# Altium PCB DK2.PcbDoc (part 1 of 5) (continued)
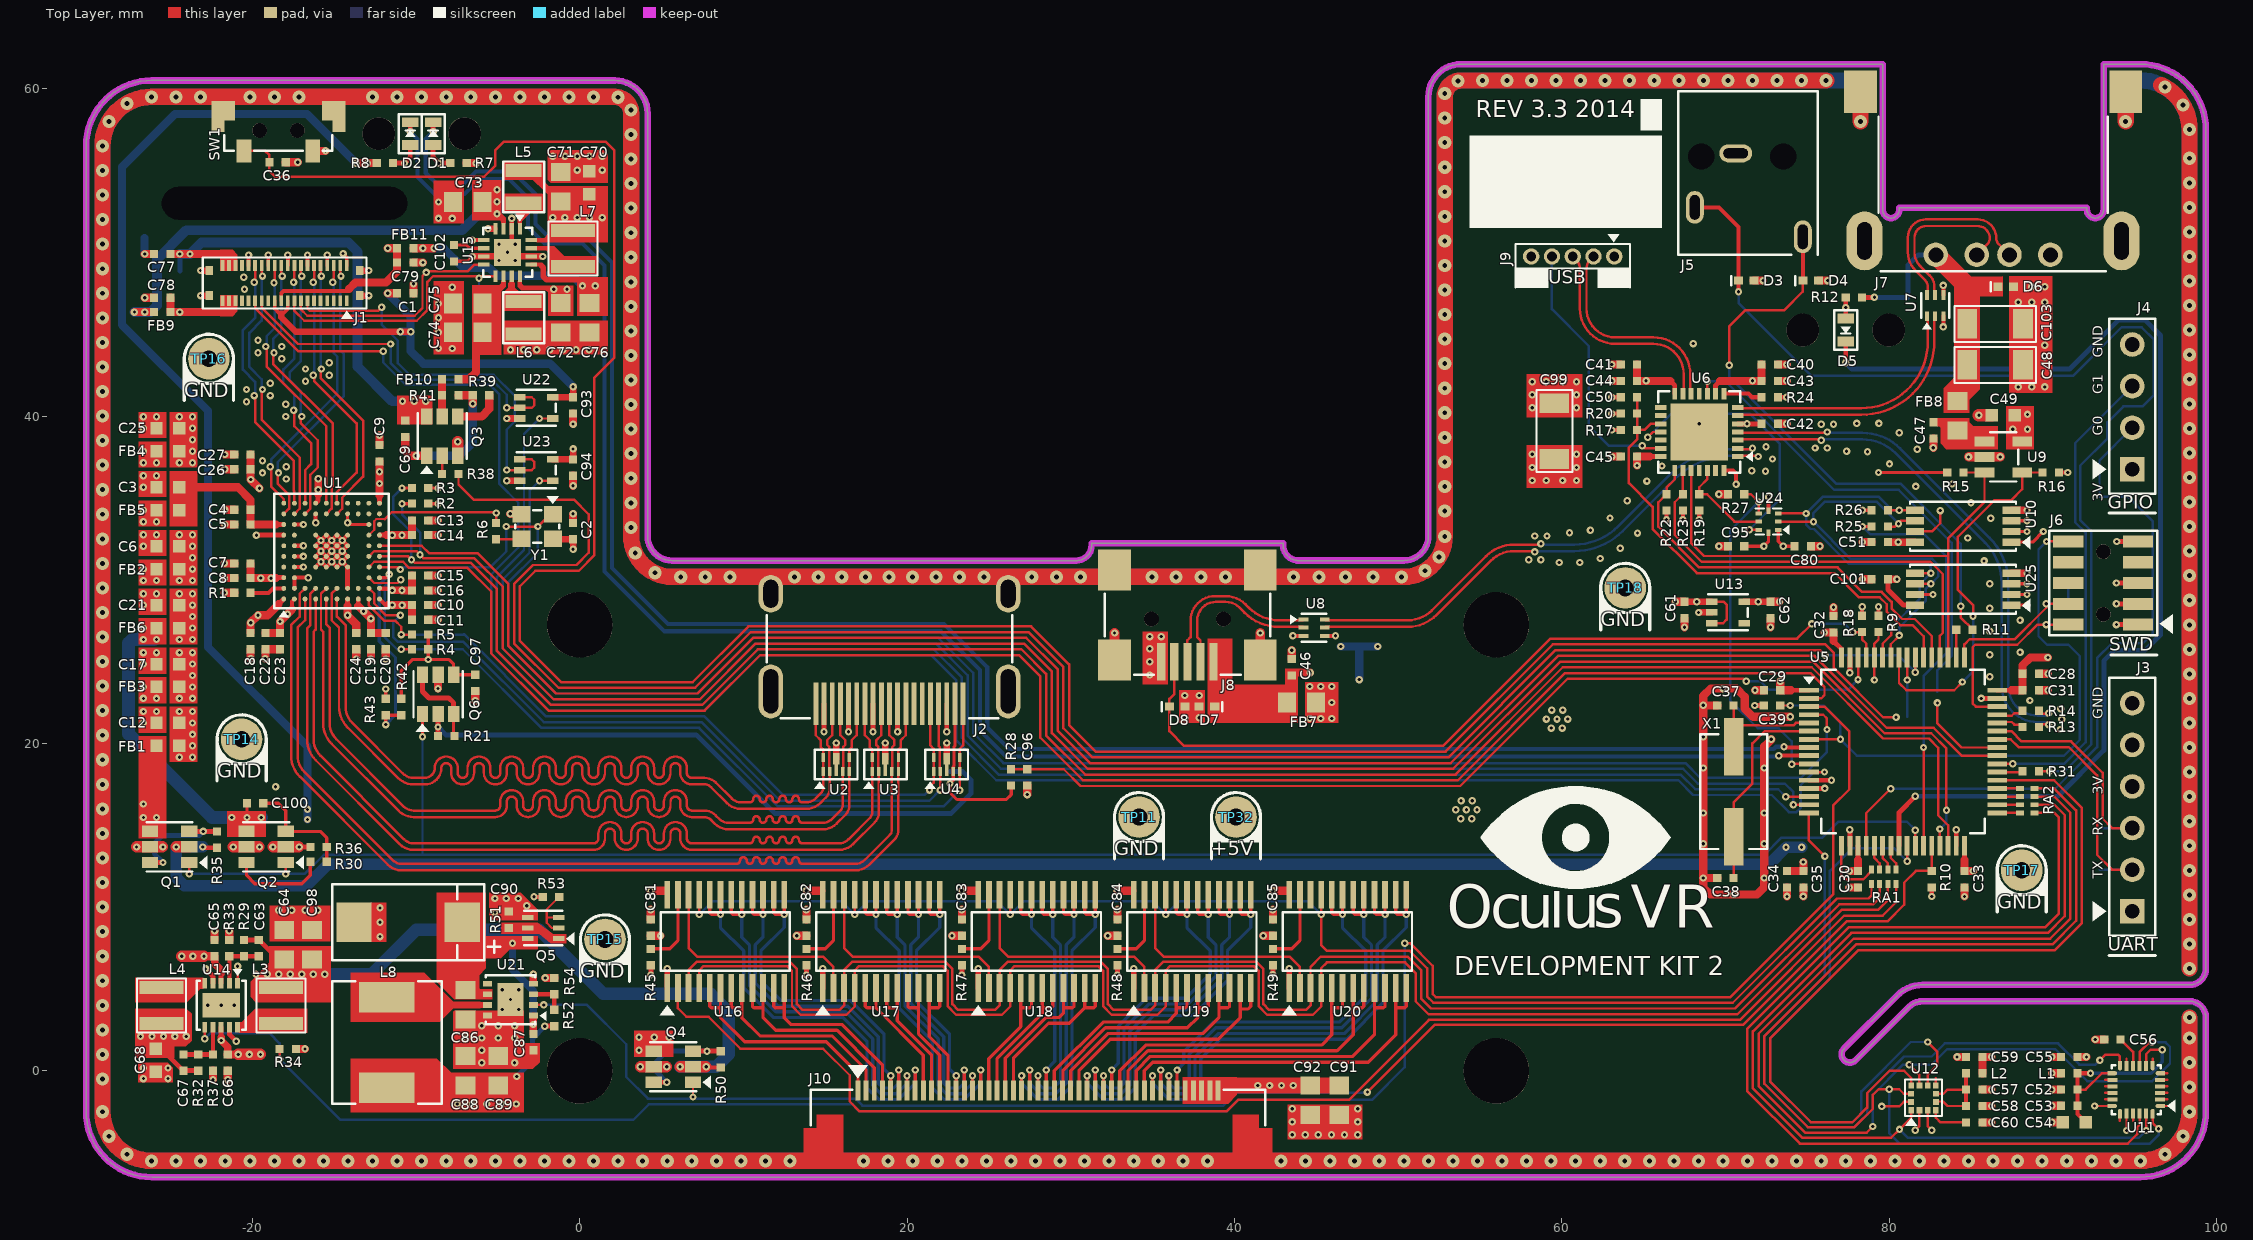
[diagram p0: Top Layer view]
## Components (designator, comment, footprint, x,y, rotation, side; value= is the part's Value field where it differs from the comment)
C1 "1uF" CAP_CERAMIC_0402 -10.65,47.5 r0 top
C2 "0.01uF" CAP_CERAMIC_0402 -0.4,32.975 r90 top
C3 "10uF" CAP_CERAMIC_0603 -25.15,35.65 r180 top
C4 "0.1uF" CAP_CERAMIC_0402 -20.599,34.275 r180 top
C5 "0.01uF" CAP_CERAMIC_0402 -20.599,33.375 r180 top
C6 "10uF" CAP_CERAMIC_0603 -25.15,32.05 r180 top
C7 "0.1uF" CAP_CERAMIC_0402 -20.599,31 r180 top
C8 "0.01uF" CAP_CERAMIC_0402 -20.599,30.1 r180 top
C9 "0.1uF" CAP_CERAMIC_0402 -12.225,37.725 r90 top
C10 "0.01uF" CAP_CERAMIC_0402 -9.749,28.45 r0 top
C11 "0.01uF" CAP_CERAMIC_0402 -9.75,27.55 r0 top
C12 "10uF" CAP_CERAMIC_0603 -25.15,21.25 r180 top
C13 "0.1uF" CAP_CERAMIC_0402 -9.75,33.625 r0 top
C14 "0.01uF" CAP_CERAMIC_0402 -9.75,32.725 r0 top
C15 "0.1uF" CAP_CERAMIC_0402 -9.75,30.25 r0 top
C16 "0.01uF" CAP_CERAMIC_0402 -9.75,29.35 r0 top
C17 "10uF" CAP_CERAMIC_0603 -25.15,24.85 r180 top
C18 "0.1uF" CAP_CERAMIC_0402 -20.1,26.25 r270 top
C19 "0.01uF" CAP_CERAMIC_0402 -12.75,26.25 r270 top
C20 "0.01uF" CAP_CERAMIC_0402 -11.85,26.25 r270 top
C21 "10uF" CAP_CERAMIC_0603 -25.15,28.45 r180 top
C22 "0.1uF" CAP_CERAMIC_0402 -19.2,26.25 r270 top
C23 "0.01uF" CAP_CERAMIC_0402 -18.3,26.25 r270 top
C24 "0.01uF" CAP_CERAMIC_0402 -13.65,26.25 r270 top
C25 "10uF" CAP_CERAMIC_0603 -25.15,39.25 r180 top
C26 "0.1uF" CAP_CERAMIC_0402 -20.6,36.75 r180 top
C27 "0.01uF" CAP_CERAMIC_0402 -20.6,37.65 r180 top
C28 "4.7uF" CAP_CERAMIC_0402 88.651,24.251 r0 top
C29 "0.1uF" CAP_CERAMIC_0402 72.851,23.251 r180 top
C30 "0.1uF" CAP_CERAMIC_0402 78.101,11.701 r270 top
C31 "0.1uF" CAP_CERAMIC_0402 88.651,23.251 r0 top
C32 "0.1uF" CAP_CERAMIC_0402 76.601,27.276 r90 top
C33 "0.1uF" CAP_CERAMIC_0402 84.601,11.701 r270 top
C34 "1uF" CAP_CERAMIC_0402 73.76,11.705 r270 top
C35 "0.01uF" CAP_CERAMIC_0402 74.76,11.705 r270 top
C36 "0.1uF" CAP_CERAMIC_0402 -18.452,55.503 r0 top
C37 "20pF" CAP_CERAMIC_0402 70,22.325 r180 top
C38 "20pF" CAP_CERAMIC_0402 70,11.775 r180 top
C39 "0.1uF" CAP_CERAMIC_0402 72.842,22.318 r180 top
C40 "1uF" CAP_CERAMIC_0402 72.701,43.149 r0 top
C41 "1uF" CAP_CERAMIC_0402 64.101,43.149 r180 top
C42 "0.1uF" CAP_CERAMIC_0402 72.701,39.524 r0 top
C43 "0.1uF" CAP_CERAMIC_0402 72.701,42.149 r0 top
C44 "0.1uF" CAP_CERAMIC_0402 64.101,42.149 r180 top
C45 "0.1uF" CAP_CERAMIC_0402 64.101,37.524 r180 top
C46 "0.1uF" CAP_CERAMIC_0402 43.5,24.65 r90 top
C47 "0.1uF" CAP_CERAMIC_0402 82.7,39.125 r270 top
C48 "100uF" CAP_CERAMIC_1206 86.48,43.13 r0 top
C49 "10uF" CAP_CERAMIC_0603 86.975,40.05 r180 top
C50 "1uF" CAP_CERAMIC_0402 64.101,41.149 r180 top
C51 "0.1uF" CAP_CERAMIC_0402 79.425,32.3 r180 top
C52 "0.01uF" CAP_CERAMIC_0402 91,-1.15 r180 top
C53 "0.1uF" CAP_CERAMIC_0402 91,-2.14 r180 top
C54 "10uF" CAP_CERAMIC_0603 91.31,-3.15 r180 top
C55 "0.1uF" CAP_CERAMIC_0402 91,0.85 r0 top
C56 "0.1uF" CAP_CERAMIC_0402 93.64,1.915 r180 top
C57 "0.1uF" CAP_CERAMIC_0402 85.2,-1.15 r0 top
C58 "1uF" CAP_CERAMIC_0402 85.2,-2.15 r0 top
C59 "0.1uF" CAP_CERAMIC_0402 85.2,0.85 r180 top
C60 "0.1uF" CAP_CERAMIC_0402 85.2,-3.15 r0 top
C61 "1uF" CAP_CERAMIC_0402 67.5,28.15 r270 top
C62 "1uF" CAP_CERAMIC_0402 72.75,28.15 r270 top
C63 "22pF" CAP_CERAMIC_0402 -19.6,7.5 r270 top
C64 "22uF" CAP_CERAMIC_0805 -18.05,7.7 r90 top
C65 "4.7uF" CAP_CERAMIC_0402 -22.3,7.5 r90 top
C66 "4.7uF" CAP_CERAMIC_0402 -21.5,0.5 r270 top
C67 "22pF" CAP_CERAMIC_0402 -24.2,0.5 r90 top
C68 "10uF" CAP_CERAMIC_0603 -25.9,0.65 r270 top
C69 "1nF" CAP_CERAMIC_0402 -10.65,39.225 r270 top
C70 "10uF" CAP_CERAMIC_0603 0.6,54.25 r90 top
C71 "22uF" CAP_CERAMIC_0805 -1.15,54 r90 top
C72 "22uF" CAP_CERAMIC_0805 -1.15,46 r270 top
C73 "22uF" CAP_CERAMIC_0805 -6.825,53.075 r180 top
C74 "22uF" CAP_CERAMIC_0805 -6.825,45.125 r180 top
C75 "22uF" CAP_CERAMIC_0805 -6.825,46.875 r180 top
C76 "22uF" CAP_CERAMIC_0805 0.6,46 r270 top
C77 "1uF" CAP_CERAMIC_0402 -25.5,49.9 r180 top
C78 "1uF" CAP_CERAMIC_0402 -25.5,47.225 r180 top
C79 "1uF" CAP_CERAMIC_0402 -10.65,49.375 r0 top
C80 "0.1uF" CAP_CERAMIC_0402 74.725,32.05 r0 top
C81 "0.1uF" CAP_CERAMIC_0402 4.35,8.75 r270 top
C82 "0.1uF" CAP_CERAMIC_0402 13.85,8.75 r270 top
C83 "0.1uF" CAP_CERAMIC_0402 23.35,8.75 r270 top
C84 "0.1uF" CAP_CERAMIC_0402 32.85,8.75 r270 top
C85 "0.1uF" CAP_CERAMIC_0402 42.35,8.75 r270 top
C86 "22uF" CAP_CERAMIC_0805 -6.975,4.025 r270 top
C87 "1uF" CAP_CERAMIC_0402 -2.825,1.75 r270 top
C88 "22uF" CAP_CERAMIC_0805 -6.975,0 r90 top
C89 "22uF" CAP_CERAMIC_0805 -4.975,0 r90 top
C90 "470uF" 7343-38 -10.475,9.075 r180 top
C91 "22uF" CAP_CERAMIC_0805 46.4,-1.8 r270 top
C92 "22uF" CAP_CERAMIC_0805 44.64,-1.8 r270 top
C93 "0.1uF" CAP_CERAMIC_0402 -0.4,40.65 r270 top
C94 "0.1uF" CAP_CERAMIC_0402 -0.4,36.85 r270 top
C95 "0.1uF" CAP_CERAMIC_0402 70.65,32.05 r180 top
C96 "0.1uF" CAP_CERAMIC_0402 27.35,17.925 r270 top
C97 "0.1uF" CAP_CERAMIC_0402 -6.375,23.7 r270 top
C98 "22uF" CAP_CERAMIC_0805 -16.35,7.7 r90 top
C99 "100uF" CAP_CERAMIC_1206 59.55,39.08 r90 top
C100 "0.1uF" CAP_CERAMIC_0402 -19.825,16.35 r0 top
C101 "0.1uF" CAP_CERAMIC_0402 79.425,30.025 r180 top
C102 "0.1uF" CAP_CERAMIC_0402 -7.675,49.95 r270 top
C103 "100uF" CAP_CERAMIC_1206 86.48,45.63 r0 top
D1 "LED" LED_BLUE_0603 -8.95,57.25 r90 top locked
D2 "LED" LED_AMBER_0603 -10.35,57.25 r90 top locked
D3 "ESDAXLC6-1BT2" SOD-882T 71.3,48.275 r0 top
D4 "ESDAXLC6-1BT2" SOD-882T 75.225,48.275 r0 top
D5 "LED" LED_BLUE_0603 77.35,45.25 r270 top
D6 "ESDAXLC6-1BT2" SOD-882T 87.16,47.9 r0 top
D7 "ESDAXLC6-1BT2" SOD-882T 38.3,22.25 r180 top
D8 "ESDAXLC6-1BT2" SOD-882T 36.525,22.25 r0 top
FB1 "BLM18KG221SN1D" INDUCTOR_0603 -25.15,19.85 r0 top
FB2 "BLM18KG221SN1D" INDUCTOR_0603 -25.15,30.65 r0 top
FB3 "BLM18KG221SN1D" INDUCTOR_0603 -25.15,23.45 r0 top
FB4 "BLM18KG221SN1D" INDUCTOR_0603 -25.15,37.85 r0 top
FB5 "BLM18KG221SN1D" INDUCTOR_0603 -25.15,34.25 r0 top
FB6 "BLM18KG221SN1D" INDUCTOR_0603 -25.15,27.05 r0 top
FB7 "BLM21PG220SN1D" INDUCTOR_0805 44.1,22.5 r0 top
FB8 "BLM21PG220SN1D" INDUCTOR_0805 84.175,40.025 r90 top
FB9 "BLM15EG121SN1D" INDUCTOR_0402 -25.5,46.35 r0 top
FB10 "BLM15EG121SN1D" INDUCTOR_0402 -7.9,42.25 r180 top
FB11 "BLM15EG121SN1D" INDUCTOR_0402 -10.65,50.25 r180 top
J1 "AXE440124" AXE440124 -18.025,48.125 r180 top
J2 "47151-0001" 47151-0001 18.93,22.42 r0 top locked
J3 "DNP" HEADER_1X6 94.85,9.75 r90 top locked
J4 "DNP" HEADER_1X4 94.85,36.75 r90 top locked
J5 "PJ-2019-3" PJ-2019-3 70.625,59.85 r180 top
J6 "GRPB052VWQP-RC" GRPB052VWQP-RC 93.075,29.799 r180 top
J7 "RT-USBA-F198" RT-USBA-F198 86.35,49.85 r0 top
J8 "11163-106004-03" BW_11163-106004-03 37.13,32.845 r270 top
J9 "GRPB051VWVN-RC" GRPB051VWVN-RC 60.67,49.75 r270 top
J10 "62684-452100ALF" FCI_62684-452100ALF 28,-4 r0 top
L1 "MMZ1005S601C" INDUCTOR_0402 91,-0.15 r180 top
L2 "MMZ1005S601C" INDUCTOR_0402 85.2,-0.15 r0 top
L3 "2.2uH" NR3015 -18.25,4 r270 top
L4 "2.2uH" NR3015 -25.55,4 r90 top
L5 "4.7uH" 252010CDMCDS -3.425,54 r90 top
L6 "4.7uH" 252010CDMCDS -3.425,46 r270 top
L7 "10uH" NR3015 -0.4,50.225 r90 top
L8 "2.2uH" SRP6540 -11.775,1.725 r90 top
Q1 "DMC2038LVT" TSOT26 -25.05,13.675 r180 top
Q2 "DMC2038LVT" TSOT26 -19.15,13.675 r180 top
Q3 "DMC2038LVT" TSOT26 -8.4,38.775 r90 top
Q4 "DMC2038LVT" TSOT26 5.725,0.25 r180 top
Q5 "BC856S" SOT363 -2.225,8.725 r180 top
Q6 "DMC2038LVT" TSOT26 -8.65,23 r90 top
R1 "2K" RESISTOR_0402 -20.599,29.2 r180 top
R2 "2K" RESISTOR_0402 -9.75,34.65 r0 top
R3 "2K" RESISTOR_0402 -9.75,35.6 r0 top
R4 "1K" RESISTOR_0402 -9.75,25.75 r0 top
R5 "47K" RESISTOR_0402 -9.75,26.65 r0 top
R6 "33R" RESISTOR_0402 -5.1,32.975 r270 top
R7 "470R" RESISTOR_0402 -7.4,55.45 r0 top
R8 "330R" RESISTOR_0402 -11.9,55.45 r180 top
R9 "10K" RESISTOR_0402 79.351,27.301 r270 top
R10 "100K" RESISTOR_0402 82.601,11.701 r90 top
R11 "22R" RESISTOR_0402 84.6,26.95 r0 top
R12 "470R" RESISTOR_0402 77.85,47.25 r0 top
R13 "22R" RESISTOR_0402 88.651,21.001 r180 top
R14 "22R" RESISTOR_0402 88.651,22.001 r180 top
R15 "10K" RESISTOR_0402 84.05,36.55 r180 top
R16 "100K" RESISTOR_0402 89.875,36.55 r0 top
R17 "10K" RESISTOR_0402 64.101,39.149 r180 top
R18 "1M" RESISTOR_0402 78.351,27.301 r270 top
R19 "10K" RESISTOR_0402 68.4,34.725 r270 top
R20 "47K" RESISTOR_0402 64.101,40.149 r0 top
R21 "10K" RESISTOR_0402 -8.15,20.45 r180 top
R22 "100K" RESISTOR_0402 66.401,34.724 r90 top
R23 "100K" RESISTOR_0402 67.401,34.724 r90 top
R24 "649R" RESISTOR_0402 72.701,41.149 r180 top
R25 "2K" RESISTOR_0402 79.425,33.25 r180 top
R26 "2K" RESISTOR_0402 79.425,34.25 r180 top
R27 "10K" RESISTOR_0402 70.65,35.225 r0 top
R28 "47K" RESISTOR_0402 26.35,17.925 r270 top
R29 "453K" RESISTOR_0402 -20.5,7.5 r90 top
R30 "2K" RESISTOR_0402 -15.95,12.775 r0 top
R31 "22R" RESISTOR_0402 88.65,18.3 r0 top
R32 "100K" RESISTOR_0402 -23.3,0.5 r270 top
R33 "100K" RESISTOR_0402 -21.4,7.5 r270 top
R34 "100K" RESISTOR_0402 -17.827,1.338 r180 top
R35 "10K" RESISTOR_0402 -22.15,14.125 r270 top
R36 "10K" RESISTOR_0402 -15.95,13.675 r180 top
R37 "100K" RESISTOR_0402 -22.4,0.5 r90 top
R38 "100R" RESISTOR_0402 -7.9,36.45 r180 top
R39 "4.7K" RESISTOR_0402 -6.025,41.275 r180 top
R41 "4.7K" RESISTOR_0402 -7.9,41.275 r0 top
R42 "10K" RESISTOR_0402 -10.9,22.225 r270 top
R43 "10K" RESISTOR_0402 -11.85,22.225 r270 top
R45 "340R" RESISTOR_0402 4.35,6.95 r90 top
R46 "340R" RESISTOR_0402 13.85,6.95 r90 top
R47 "340R" RESISTOR_0402 23.35,6.95 r90 top
R48 "340R" RESISTOR_0402 32.85,6.95 r90 top
R49 "340R" RESISTOR_0402 42.35,6.95 r90 top
R50 "10K" RESISTOR_0402 8.625,0.7 r270 top
R51 "10R" RESISTOR_0402 -4.325,9.225 r270 top
R52 "24K" RESISTOR_0402 -1.55,3.225 r270 top
R53 "4.7K" RESISTOR_0402 -1.75,10.625 r0 top
R54 "10K" RESISTOR_0402 -1.55,5.175 r270 top
RA1 "YC124-JR-0722R" YC124 79.672,11.855 r270 top
RA2 "YC124-JR-0722R" YC124 88.435,16.503 r0 top
SW1 "TS-TL3330E" TS-TL3330E -18.4,57.45 r0 top locked
TP1 "TEST POINT" TEST_POINT_PAD_1MM -5.1,34.75 r90 bottom
TP2 "TEST POINT" TEST_POINT_PAD_1.2X3MM 92.85,15.85 r180 bottom
TP3 "TEST POINT" TEST_POINT_PAD_1.2X3MM 92.85,11.25 r180 bottom
TP4 "TEST POINT" TEST_POINT_PAD_1MM 81.1,21.625 r90 bottom
TP5 "TEST POINT" TEST_POINT_PAD_1MM 90.95,32.339 r270 bottom
TP6 "TEST POINT" TEST_POINT_PAD_1MM 90.95,29.799 r270 bottom
TP7 "TEST POINT" TEST_POINT_PAD_1MM 90.95,27.259 r90 bottom
TP8 "TEST POINT" TEST_POINT_PAD_1MM 94.6,27.25 r90 bottom
TP9 "TEST POINT" TEST_POINT_PAD_1.2X3MM 44.65,25.925 r180 bottom
TP10 "TEST POINT" TEST_POINT_PAD_1MM 81.15,47.25 r90 bottom
TP11 "TEST POINT BLACK" KS_5001_TEST_POINT_BLACK 34.175,15.5 r0 top
TP12 "TEST POINT" TEST_POINT_PAD_1MM 82.95,23.15 r90 bottom
TP13 "TEST POINT" TEST_POINT_PAD_1.2X3MM 47.625,25.925 r180 bottom
TP14 "TEST POINT BLACK" KS_5001_TEST_POINT_BLACK -20.65,20.25 r0 top
TP15 "TEST POINT BLACK" KS_5001_TEST_POINT_BLACK 1.55,8.025 r180 top
TP16 "TEST POINT BLACK" KS_5001_TEST_POINT_BLACK -22.65,43.5 r180 top
TP17 "TEST POINT BLACK" KS_5001_TEST_POINT_BLACK 88.1,12.25 r180 top
TP18 "TEST POINT BLACK" KS_5001_TEST_POINT_BLACK 63.875,29.5 r180 top
TP19 "TEST POINT" TEST_POINT_PAD_1MM -4.975,0.9 r90 bottom
TP20 "TEST POINT" TEST_POINT_PAD_1MM -26.575,50.875 r90 bottom
TP21 "TEST POINT" TEST_POINT_PAD_1MM -23.425,4 r90 bottom
TP22 "TEST POINT" TEST_POINT_PAD_1MM 95.2,32.339 r270 bottom
TP23 "TEST POINT" TEST_POINT_PAD_1MM 79.1,23.15 r90 bottom
TP24 "TEST POINT" TEST_POINT_PAD_1.2X3MM 74,28.6 r0 bottom
TP25 "TEST POINT" TEST_POINT_PAD_1MM 22.625,18.275 r90 bottom
TP26 "TEST POINT" TEST_POINT_PAD_1MM -9.25,24.4 r90 bottom
TP27 "TEST POINT" TEST_POINT_PAD_1MM -19.775,5.175 r270 bottom
TP28 "TEST POINT" TEST_POINT_PAD_1MM -26.825,2.825 r270 bottom
TP29 "TEST POINT" TEST_POINT_PAD_1MM -7.925,55.225 r90 bottom
TP30 "TEST POINT" TEST_POINT_PAD_1MM -11.35,55.225 r90 bottom
TP31 "TEST POINT" TEST_POINT_PAD_1MM 77.35,45.9 r90 bottom
TP32 "TEST POINT RED" KS_500X_TEST_POINT 40.1,15.5 r90 top
TP33 "TEST POINT" TEST_POINT_PAD_1MM -25.125,15.475 r90 bottom
TP34 "TEST POINT" TEST_POINT_PAD_1MM -18.575,15.475 r90 bottom
TP35 "TEST POINT" TEST_POINT_PAD_1.2X3MM 92.85,35.075 r0 bottom
TP36 "TEST POINT" TEST_POINT_PAD_1MM 91.997,38.978 r90 bottom
TP37 "TEST POINT" TEST_POINT_PAD_1MM 68.025,45.1 r90 bottom
TP38 "TEST POINT" TEST_POINT_PAD_1MM -24.425,48.85 r90 bottom
TP39 "TEST POINT" TEST_POINT_PAD_1MM 77.475,28.65 r90 bottom
TP40 "TEST POINT" TEST_POINT_PAD_1MM -24.425,45.625 r270 bottom
TP41 "TEST POINT" TEST_POINT_PAD_1MM -18.575,18.05 r90 bottom
TP42 "TEST POINT" TEST_POINT_PAD_1MM -11.725,49.525 r270 bottom
TP43 "TEST POINT" TEST_POINT_PAD_1MM 5.475,2.775 r90 bottom
TP44 "TEST POINT" TEST_POINT_PAD_1MM -3.875,-1.3 r180 bottom
TP45 "TEST POINT" TEST_POINT_PAD_1MM -16.6,55.525 r90 bottom
TP46 "TEST POINT" TEST_POINT_PAD_1MM -8.7,48.775 r90 bottom
TP47 "TEST POINT" TEST_POINT_PAD_1MM -6.15,46.95 r90 bottom
U1 "TC358779XBG" BGA80 -15.15,31.75 r90 top
U2 "HSP061-4NY8" HSP061-4NY8 15.675,18.72 r90 top locked
U3 "HSP061-4NY8" HSP061-4NY8 18.675,18.72 r90 top locked
U4 "HSP061-4NY8" HSP061-4NY8 22.425,18.72 r90 top locked
U5 "STM32L100RBT6" LQFP64 80.851,19.501 r0 top locked
U6 "CY7C65632-28LTXCT" QFN-28 68.401,39.024 r180 top
U7 "ECMF02-2AMX6" UQFN-6L 82.81,46.75 r90 top
U8 "ECMF02-2AMX6" UQFN-6L 44.875,27.075 r0 top
U9 "STMPS2141STR" SOT23-5L 86.975,37.5 r0 top
U10 "M24C32-RDW6TP" TSSOP8 84.525,33.275 r180 top
U11 "MPU-6500" QFN-24 95.1,-1.15 r180 top
U12 "LIS3MDL" LGA-12 82.1,-1.65 r90 top
U13 "LD59015C30R" SOT323-5L 70.15,28 r0 top
U14 "RT8075ZQW" WDFN-10L -21.9,4 r270 top
U15 "TPS65632ARTER" S-PWQFN-N16 -4.4,50 r270 top
U16 "STP16CPC26" TSSOP24 8.9,7.9 r90 top
U17 "STP16CPC26" TSSOP24 18.4,7.9 r90 top
U18 "STP16CPC26" TSSOP24 27.9,7.9 r90 top
U19 "STP16CPC26" TSSOP24 37.4,7.9 r90 top
U20 "STP16CPC26" TSSOP24 46.9,7.9 r90 top
U21 "ST1S31PUR" VFDFPN-3X3-8L -4.225,4.35 r180 top
U22 "M74VHC1GT50DFT2G" SC70-5 -2.65,40.5 r0 top
U23 "M74VHC1GT50DFT2G" SC70-5 -2.65,36.7 r0 top
U24 "FXMA2102L8X" UFQFN-8 72.625,33.55 r180 top
U25 "M24C02-WDW6TP" TSSOP8 84.525,29.425 r180 top
X1 "FUWEI-12.000-20-20-40" HC-49USX 70.5,17.05 r270 top
Y1 "TA-27.000MBE-T" TXC_TD -2.59,33.25 r180 top

## Footprints (in the part's own frame and the unit in brackets; to place one, negate y for a bottom-side part, rotate by r counter-clockwise, add the part's x,y. Pads: shape width x height; smd on the part's side, far side on the other; paste and mask are expansions set on the pad)
7343-38 [mm]
  rect 2.16x2.41 smd mask+0.051: 1(-3.305,0) 2(3.305,0)
  silkscreen extent -5.63,-2.32 4.65,2.33, body extent -4.5,-2.32 4.5,2.33, height 3.91
47151-0001 [mm]
  rect 0.3x2.6 smd mask+0.051: 1(-4.5,0) 2(-4,0) 3(-3.5,0) 4(-3,0) 5(-2.5,0) 6(-2,0) 7(-1.5,0) 8(-1,0) 9(-0.5,0) 10(0,0) 11(0.5,0) 12(1,0) 13(1.5,0) 14(2,0) 15(2.5,0) 16(3,0) 17(3.5,0) 18(4,0) 19(4.5,0)
  rrect100% 1.5x3.3 hole 0.9 slot 2.7 at 90 deg mask+0.051: 20(-7.25,0.76) 21(7.25,0.76)
  rrect100% 1.5x2.3 hole 0.9 slot 1.7 at 90 deg mask+0.051: 22(-7.25,6.72) 23(7.25,6.72)
  silkscreen extent -7.5,-0.87 7.5,5.4, body extent -7.5,-0.87 7.5,11.27, height 6.2
252010CDMCDS [mm]
  rect 0.8x2.2 smd mask+0.051: 1(-1,0) 2(1,0)
  silkscreen extent -1.55,-1.25 1.55,1.25, body extent -1.25,-1 1.25,1, height 1
AXE440124 [mm]
  rect 0.23x0.65 smd paste-0.025 mask+0.051: 1(-3.8,1.075) 2(-3.8,-1.075) 3(-3.4,1.075) 4(-3.4,-1.075) 5(-3,1.075) 6(-3,-1.075) 7(-2.6,1.075) 8(-2.6,-1.075) 9(-2.2,1.075) 10(-2.2,-1.075) 11(-1.8,1.075) 12(-1.8,-1.075) 13(-1.4,1.075) 14(-1.4,-1.075) 15(-1,1.075) 16(-1,-1.075) 17(-0.6,1.075) 18(-0.6,-1.075) 19(-0.2,1.075) 20(-0.2,-1.075) 21(0.2,1.075) 22(0.2,-1.075) 23(0.6,1.075) 24(0.6,-1.075) 25(1,1.075) 26(1,-1.075) 27(1.4,1.075) 28(1.4,-1.075) 29(1.8,1.075) 30(1.8,-1.075) 31(2.2,1.075) 32(2.2,-1.075) 33(2.6,1.075) 34(2.6,-1.075) 35(3,1.075) 36(3,-1.075) 37(3.4,1.075) 38(3.4,-1.075) 39(3.8,1.075) 40(3.8,-1.075)
  rect 0.45x0.53 smd mask+0.051: 41(-4.6,0.765) 42(-4.6,-0.765) 43(4.6,0.765) 44(4.6,-0.765)
  silkscreen extent -5,-1.55 5,2.17, body extent -4.9,-1.2 4.9,1.2, height 0.46
BGA80 [mm]
  round 0.3 smd mask+0.064: A1(-2.925,2.925) A2(-2.275,2.925) A3(-1.625,2.925) A4(-0.975,2.925) A5(-0.325,2.925) A6(0.325,2.925) A7(0.975,2.925) A8(1.625,2.925) A9(2.275,2.925) A10(2.925,2.925) B1(-2.925,2.275) B2(-2.275,2.275) B3(-1.625,2.275) B4(-0.975,2.275) B5(-0.325,2.275) B6(0.325,2.275) B7(0.975,2.275) B8(1.625,2.275) B9(2.275,2.275) B10(2.925,2.275) C1(-2.925,1.625) C2(-2.275,1.625) C9(2.275,1.625) C10(2.925,1.625) D1(-2.925,0.975) D2(-2.275,0.975) D4(-0.975,0.975) D5(-0.325,0.975) D6(0.325,0.975) D7(0.975,0.975) D9(2.275,0.975) D10(2.925,0.975) E1(-2.925,0.325) E2(-2.275,0.325) E4(-0.975,0.325) E5(-0.325,0.325) E6(0.325,0.325) E7(0.975,0.325) E9(2.275,0.325) E10(2.925,0.325) F1(-2.925,-0.325) F2(-2.275,-0.325) F4(-0.975,-0.325) F5(-0.325,-0.325) F6(0.325,-0.325) F7(0.975,-0.325) F9(2.275,-0.325) F10(2.925,-0.325) G1(-2.925,-0.975) G2(-2.275,-0.975) G4(-0.975,-0.975) G5(-0.325,-0.975) G6(0.325,-0.975) G7(0.975,-0.975) G9(2.275,-0.975) G10(2.925,-0.975) H1(-2.925,-1.625) H2(-2.275,-1.625) H9(2.275,-1.625) H10(2.925,-1.625) J1(-2.925,-2.275) J2(-2.275,-2.275) J3(-1.625,-2.275) J4(-0.975,-2.275) J5(-0.325,-2.275) J6(0.325,-2.275) J7(0.975,-2.275) J8(1.625,-2.275) J9(2.275,-2.275) J10(2.925,-2.275) K1(-2.925,-2.925) K2(-2.275,-2.925) K3(-1.625,-2.925) K4(-0.975,-2.925) K5(-0.325,-2.925) K6(0.325,-2.925) K7(0.975,-2.925) K8(1.625,-2.925) K9(2.275,-2.925) K10(2.925,-2.925)
  silkscreen extent -4.05,-3.5 3.5,3.5, body extent -3.5,-3.5 3.5,3.5, height 1
BW_11163-106004-03 [mm]
  round 0.9 hole 0.9 unplated mask+0.076: 0(5.25,2.2) 0(5.25,-2.2)
  rect 2.3x0.5 smd mask+0.064: 1(7.85,1.6) 2(7.85,0.8) 3(7.85,0) 4(7.85,-0.8) 5(7.85,-1.6)
  rect 2.5x2 smd paste-3 mask+0.064: 6(7.75,-4.45) 7(2.25,-4.45) 8(2.25,4.45) 9(7.75,4.45)
  Top Layer pour cut-out: 5.25,-1.425 5.547,-1.484 5.798,-1.652 5.966,-1.903 6.025,-2.2 6.025,-2.2 5.966,-2.497 5.798,-2.748 5.547,-2.916 5.25,-2.975 5.25,-2.975 5.25,-2.975 4.953,-2.916 4.702,-2.748 4.534,-2.497 4.475,-2.2 4.475,-2.2 4.534,-1.903 4.702,-1.652 4.953,-1.484 5.25,-1.425 5.25,-1.425
  Top Layer pour cut-out: 5.25,2.975 5.547,2.916 5.798,2.748 5.966,2.497 6.025,2.2 6.025,2.2 5.966,1.903 5.798,1.652 5.547,1.484 5.25,1.425 5.25,1.425 5.25,1.425 4.953,1.484 4.702,1.652 4.534,1.903 4.475,2.2 4.475,2.2 4.534,2.497 4.702,2.748 4.953,2.916 5.25,2.975 5.25,2.975
  Bottom Layer pour cut-out: 5.25,-1.425 5.547,-1.484 5.798,-1.652 5.966,-1.903 6.025,-2.2 6.025,-2.2 5.966,-2.497 5.798,-2.748 5.547,-2.916 5.25,-2.975 5.25,-2.975 5.25,-2.975 4.953,-2.916 4.702,-2.748 4.534,-2.497 4.475,-2.2 4.475,-2.2 4.534,-1.903 4.702,-1.652 4.953,-1.484 5.25,-1.425 5.25,-1.425
  Bottom Layer pour cut-out: 5.25,2.975 5.547,2.916 5.798,2.748 5.966,2.497 6.025,2.2 6.025,2.2 5.966,1.903 5.798,1.652 5.547,1.484 5.25,1.425 5.25,1.425 5.25,1.425 4.953,1.484 4.702,1.652 4.534,1.903 4.475,2.2 4.475,2.2 4.534,2.497 4.702,2.748 4.953,2.916 5.25,2.975 5.25,2.975
  silkscreen extent 3.7,-5.05 8.65,5.05, body extent -0.64,-4.95 8.57,4.95, height 4.17
CAP_CERAMIC_0402 [mm]
  rect 0.5x0.5 smd mask+0.051: 1(-0.5,0) 2(0.5,0)
  body extent -0.5,-0.25 0.5,0.25, height 0.56
CAP_CERAMIC_0603 [mil]
  rect 30x30 smd mask+2: 1(-27.56,0) 2(27.56,0)
  body extent -31,-16 31,16, height 22
CAP_CERAMIC_0805 [mm]
  rect 1.1x1.2 smd mask+0.051: 1(-0.9,0) 2(0.9,0)
  body extent -1,-0.6 1,0.6, height 0.7
CAP_CERAMIC_1206 [mm]
  rect 1.2x1.8 smd mask+0.051: 1(-1.7,0) 2(1.7,0)
  silkscreen extent -2.5,-1.1 2.5,1.1, body extent -1.6,-0.8 1.6,0.8, height 0.98
FCI_62684-452100ALF [mm]
  rect 0.3x1.2 smd paste-0.025 mask+0.05: 1(-11,2.8) 2(-10.5,2.8) 3(-10,2.8) 4(-9.5,2.8) 5(-9,2.8) 6(-8.5,2.8) 7(-8,2.8) 8(-7.5,2.8) 9(-7,2.8) 10(-6.5,2.8) 11(-6,2.8) 12(-5.5,2.8) 13(-5,2.8) 14(-4.5,2.8) 15(-4,2.8) 16(-3.5,2.8) 17(-3,2.8) 18(-2.5,2.8) 19(-2,2.8) 20(-1.5,2.8) 21(-1,2.8) 22(-0.5,2.8) 23(0,2.8) 24(0.5,2.8) 25(1,2.8) 26(1.5,2.8) 27(2,2.8) 28(2.5,2.8) 29(3,2.8) 30(3.5,2.8) 31(4,2.8) 32(4.5,2.8) 33(5,2.8) 34(5.5,2.8) 35(6,2.8) 36(6.5,2.8) 37(7,2.8) 38(7.5,2.8) 39(8,2.8) 40(8.5,2.8) 41(9,2.8) 42(9.5,2.8) 43(10,2.8) 44(10.5,2.8) 45(11,2.8)
  Top Layer region: -14.3,-1.1 -11.9,-1.1 -11.9,1.3 -13.5,1.3 -13.5,0.5 -14.3,0.5
  Top Layer region: 14.3,-1.1 11.9,-1.1 11.9,1.3 13.5,1.3 13.5,0.5 14.3,0.5
  silkscreen extent -13.89,0.67 13.89,4.35, body extent -14,-2.5 14,3.1, height 2
GRPB051VWVN-RC [mm]
  round 1 hole 0.6 mask+0.064: 1(0,2.54) 2(0,1.27) 3(0,0) 4(0,-1.27) 5(0,-2.54)
  silkscreen extent -1.35,-3.5 0.75,3.5
GRPB052VWQP-RC [mm]
  round 0.9 hole 0.9 unplated mask+0.076: 0(0,1.905) 0(0,-1.905)
  rect 1.85x0.74 smd paste-1 mask+0.05: 1(-2.125,2.54) 2(2.125,2.54) 3(-2.125,1.27) 4(2.125,1.27) 5(-2.125,0) 6(2.125,0) 7(-2.125,-1.27) 8(2.125,-1.27) 9(-2.125,-2.54) 10(2.125,-2.54)
  silkscreen extent -4.25,-3.2 3.3,3.2
HC-49USX [mm]
  rect 3.5x1.2 smd mask+0.051: 1(-2.75,0) 2(2.75,0)
  silkscreen extent -3.5,-2.05 3.5,2.05, body extent -3.8,-2.05 3.8,2.05, height 2.35
HEADER_1X4 [mm]
  rect 1.5x1.5 hole 0.9 mask+0.076: 1(0,0)
  round 1.5 hole 0.9 mask+0.076: 2(2.54,0) 3(5.08,0) 4(7.62,0)
  silkscreen extent -1.5,-1.4 9.18,2.4
HEADER_1X6 [mm]
  rect 1.5x1.5 hole 0.9 mask+0.076: 1(0,0)
  round 1.5 hole 0.9 mask+0.076: 2(2.54,0) 3(5.08,0) 4(7.62,0) 5(10.16,0) 6(12.7,0)
  silkscreen extent -1.5,-1.4 14.25,2.4
HSP061-4NY8 [mm]
  rect 0.55x0.2 smd paste-1 mask+0.051: 1(-0.425,0.8) 2(-0.425,0.4) 4(-0.425,-0.4) 5(-0.425,-0.8) 6(0.425,-0.8) 8(0.425,0.8)
  rect 0.7x0.2 smd paste-1 mask+0.051: 3(-0.35,0)
  rect 0.7x0.4 smd paste-0.013 mask+0.051: 7(0.35,0)
  silkscreen extent -1.5,-1.3 0.9,1.34, body extent -0.5,-1 0.5,1, height 0.5
INDUCTOR_0402 [mm]
  rect 0.5x0.5 smd mask+0.051: 1(-0.5,0) 2(0.5,0)
  body extent -0.5,-0.25 0.5,0.25, height 0.6
INDUCTOR_0603 [mil]
  rect 30x30 smd mask+2: 1(-27.56,0) 2(27.56,0)
  body extent -32,-16 31,16, height 20
INDUCTOR_0805 [mm]
  rect 1.1x1.2 smd mask+0.051: 1(-0.9,0) 2(0.9,0)
  body extent -1,-0.6 1,0.6, height 1.3
KS_500X_TEST_POINT [mm]
  round 2.54 hole 1.02 mask+0.076: 1(0,0)
  silkscreen extent -1.5,-1.5 1.5,1.5
KS_5001_TEST_POINT_BLACK [mm]
  round 2.54 hole 1.02 mask+0.076: 1(0,0)
  silkscreen extent -1.5,-1.5 1.5,1.5
LED_AMBER_0603 [mm]
  rect 0.6x1 smd mask+0.064: 1(-0.7,0) 2(0.7,0)
  silkscreen extent -1.2,-0.7 1.2,0.7, body extent -0.82,-0.36 0.82,0.36, height 0.68
LED_BLUE_0603 [mm]
  rect 0.6x1 smd mask+0.064: 1(-0.7,0) 2(0.7,0)
  silkscreen extent -1.2,-0.7 1.2,0.7, body extent -0.82,-0.36 0.82,0.36, height 0.68
LGA-12 [mm]
  rect 0.375x0.35 smd mask+0.051: 1(-0.76,0.75) 2(-0.76,0.25) 3(-0.76,-0.25) 4(-0.76,-0.75) 7(0.76,-0.75) 8(0.76,-0.25) 9(0.76,0.25) 10(0.76,0.75)
  rect 0.35x0.375 smd mask+0.051: 5(-0.25,-0.76) 6(0.25,-0.76) 11(0.25,0.76) 12(-0.25,0.76)
  silkscreen extent -1.7,-1.12 1.12,1.12, body extent -1,-1 1,1, height 1
LQFP64 [mm]
  rect 1.2x0.3 smd mask+0.064: 1(-5.75,3.75) 2(-5.75,3.25) 3(-5.75,2.75) 4(-5.75,2.25) 5(-5.75,1.75) 6(-5.75,1.25) 7(-5.75,0.75) 8(-5.75,0.25) 9(-5.75,-0.25) 10(-5.75,-0.75) 11(-5.75,-1.25) 12(-5.75,-1.75) 13(-5.75,-2.25) 14(-5.75,-2.75) 15(-5.75,-3.25) 16(-5.75,-3.75) 33(5.75,-3.75) 34(5.75,-3.25) 35(5.75,-2.75) 36(5.75,-2.25) 37(5.75,-1.75) 38(5.75,-1.25) 39(5.75,-0.75) 40(5.75,-0.25) 41(5.75,0.25) 42(5.75,0.75) 43(5.75,1.25) 44(5.75,1.75) 45(5.75,2.25) 46(5.75,2.75) 47(5.75,3.25) 48(5.75,3.75)
  rect 0.3x1.2 smd mask+0.064: 17(-3.75,-5.75) 18(-3.25,-5.75) 19(-2.75,-5.75) 20(-2.25,-5.75) 21(-1.75,-5.75) 22(-1.25,-5.75) 23(-0.75,-5.75) 24(-0.25,-5.75) 25(0.25,-5.75) 26(0.75,-5.75) 27(1.25,-5.75) 28(1.75,-5.75) 29(2.25,-5.75) 30(2.75,-5.75) 31(3.25,-5.75) 32(3.75,-5.75) 49(3.75,5.75) 50(3.25,5.75) 51(2.75,5.75) 52(2.25,5.75) 53(1.75,5.75) 54(1.25,5.75) 55(0.75,5.75) 56(0.25,5.75) 57(-0.25,5.75) 58(-0.75,5.75) 59(-1.25,5.75) 60(-1.75,5.75) 61(-2.25,5.75) 62(-2.75,5.75) 63(-3.25,5.75) 64(-3.75,5.75)
  silkscreen extent -6.09,-5 5,5, body extent -6.01,-6.01 6.01,6.01, height 1.75
NR3015 [mm]
  rect 0.8x2.7 smd mask+0.051: 1(-1.1,0) 2(1.1,0)
  silkscreen extent -1.65,-1.5 1.65,1.5, body extent -1.5,-1.5 1.5,1.5, height 1.5
PJ-2019-3 [mm]
  round 0 hole 1.6 unplated paste+0 mask+0.102: 0(-2.9,4) 0(2.1,4)
  oval 2x1.1 hole 0.6 slot 1.5 at 0 deg paste+0 mask+0.051: 1(0,3.8)
  oval 1.1x2 hole 0.6 slot 1.5 at 90 deg paste+0 mask+0.051: 2(2.5,7.1) 3(-4.1,8.9)
  silkscreen extent -5,0 3.5,10, body extent -5,-3 3.5,10, height 5
QFN-24 [mm]
  rect 0.4x0.25 smd mask+0.05: 1(-1.55,1) 6(-1.55,-1) 13(1.55,-1) 18(1.55,1)
  rrect100% 0.35x0.25 smd mask+0.05: 1(-1.35,1) 6(-1.35,-1) 13(1.35,-1) 18(1.35,1)
  rect 0.6x0.25 smd mask+0.05: 2(-1.45,0.6) 3(-1.45,0.2) 4(-1.45,-0.2) 5(-1.45,-0.6) 14(1.45,-0.6) 15(1.45,-0.2) 16(1.45,0.2) 17(1.45,0.6)
  rect 0.25x0.4 smd mask+0.05: 7(-1,-1.55) 12(1,-1.55) 19(1,1.55) 24(-1,1.55)
  rrect100% 0.25x0.35 smd mask+0.05: 7(-1,-1.35) 12(1,-1.35) 19(1,1.35) 24(-1,1.35)
  rect 0.25x0.6 smd mask+0.05: 8(-0.6,-1.45) 9(-0.2,-1.45) 10(0.2,-1.45) 11(0.6,-1.45) 20(0.6,1.45) 21(0.2,1.45) 22(-0.2,1.45) 23(-0.6,1.45)
  silkscreen extent -2.37,-1.5 1.5,1.5, body extent -1.5,-1.5 1.5,1.5, height 0.9
QFN-28 [mm]
  rect 3.5x3.5 smd paste-2 mask+0.05: 0(0,0)
  rect 0.7x0.3 smd mask+0.05: 1(-2.35,1.5) 2(-2.35,1) 3(-2.35,0.5) 4(-2.35,0) 5(-2.35,-0.5) 6(-2.35,-1) 7(-2.35,-1.5) 15(2.35,-1.5) 16(2.35,-1) 17(2.35,-0.5) 18(2.35,0) 19(2.35,0.5) 20(2.35,1) 21(2.35,1.5)
  rect 0.3x0.7 smd mask+0.05: 8(-1.5,-2.35) 9(-1,-2.35) 10(-0.5,-2.35) 11(0,-2.35) 12(0.5,-2.35) 13(1,-2.35) 14(1.5,-2.35) 22(1.5,2.35) 23(1,2.35) 24(0.5,2.35) 25(0,2.35) 26(-0.5,2.35) 27(-1,2.35) 28(-1.5,2.35)
  silkscreen extent -3.27,-2.5 2.5,2.5, body extent -2.5,-2.5 2.5,2.5, height 0.75
RESISTOR_0402 [mm]
  rect 0.5x0.5 smd mask+0.051: 1(-0.5,0) 2(0.5,0)
  body extent -0.5,-0.25 0.5,0.25, height 0.38
RT-USBA-F198 [mm]
  round 1.5 hole 0.92 mask+0.051: 1(-3.5,0) 2(-1,0) 3(1,0) 4(3.5,0)
  rect 2x2.6 smd mask+0.051: 5(-8.1,9.95) 6(8.1,9.95)
  oval 2.2x3.6 hole 0.9 slot 2.3 at 90 deg mask+0.051: 7(-7.85,0.85) 8(7.85,0.85)
  silkscreen extent -7,-1 7,8.42, body extent -8.6,-1 8.6,13, height 5
S-PWQFN-N16 [mm]
  rect 0.7x0.25 smd mask+0.051: 1(-1.45,0.75) 2(-1.45,0.25) 3(-1.45,-0.25) 4(-1.45,-0.75) 9(1.45,-0.75) 10(1.45,-0.25) 11(1.45,0.25) 12(1.45,0.75)
  rect 0.25x0.7 smd mask+0.051: 5(-0.75,-1.45) 6(-0.25,-1.45) 7(0.25,-1.45) 8(0.75,-1.45) 13(0.75,1.45) 14(0.25,1.45) 15(-0.25,1.45) 16(-0.75,1.45)
  rect 1.66x1.66 smd paste-0.085 mask+0.051: 17(0,0)
  silkscreen extent -2.3,-1.5 1.5,1.5, body extent -1.5,-1.5 1.5,1.5, height 0.8
SC70-5 [mm]
  rect 0.7x0.4 smd mask+0.064: 1(-1,0.65) 2(-1,0) 3(-1,-0.65) 4(1,-0.65) 5(1,0.65)
  silkscreen extent -1.2,-1.1 1.2,1.1, body extent -1.2,-1.1 1.2,1.1, height 1.1
SOD-882T [mm]
  rect 0.55x0.5 smd paste-0.05 mask+0.051: 1(-0.5,0) 2(0.45,0)
  silkscreen extent -0.95,-0.28 -0.95,0.28, body extent -0.5,-0.3 0.5,0.3, height 0.4
SOT23-5L [mm]
  rect 1.2x0.6 smd mask+0.051: 1(-1.15,0.95) 2(-1.15,0) 3(-1.15,-0.95) 4(1.15,-0.95) 5(1.15,0.95)
  silkscreen extent -0.8,-1.5 0.9,1.5, body extent -1.5,-1.5 1.5,1.5, height 1.3
SOT323-5L [mm]
  rect 0.7x0.4 smd mask+0.064: 1(-1,0.65) 2(-1,0) 3(-1,-0.65) 4(1,-0.65) 5(1,0.65)
  silkscreen extent -1.2,-1.1 1.2,1.1, body extent -1.2,-1.1 1.2,1.1, height 1.1
SOT363 [mm]
  rect 0.7x0.3 smd mask+0.051: 1(-0.95,0.65) 2(-0.95,0) 3(-0.95,-0.65) 4(0.95,-0.65) 5(0.95,0) 6(0.95,0.65)
  silkscreen extent -1.9,-1.05 1.15,1.05, body extent -1.15,-1.05 1.15,1.05, height 1
SRP6540 [mil]
  rect 73x134 smd mask+4: 1(-109,0) 2(109,0)
  silkscreen extent -148,-132 148,132, body extent -148,-132 148,132, height 157
TEST_POINT_PAD_1.2X3MM [mm]
  rrect50% 1.2x3 smd paste-1 mask+0.051: 1(0,0)
  silkscreen extent -0.8,-1.7 0.8,1.7
TEST_POINT_PAD_1MM [mm]
  round 1.2 smd paste-1 mask+0.051: 1(0,0)
  silkscreen extent -0.75,-0.75 0.75,0.75
TS-TL3330E [mm]
  round 0.9 hole 0.9 unplated mask+0.051: 0(-1.15,0) 0(1.15,0)
  rect 0.8x1.6 smd mask+0.051: 1(-3.7,0.7) 2(3.7,0.7)
  rect 1.45x1.2 smd mask+0.051: 1(-3.38,1.2) 2(3.375,1.2)
  rect 0.9x1.4 smd mask+0.051: 3(-2.1,-1.25) 4(2.1,-1.25)
  silkscreen extent -3.3,-1.25 3.3,-0.28, body extent -3.9,-1.25 3.9,2.37, height 3.47
TSOT26 [mm]
  rect 1x0.7 smd mask+0.051: 1(-1.2,0.95) 2(-1.2,0) 3(-1.2,-0.95) 4(1.2,-0.95) 5(1.2,0) 6(1.2,0.95)
  silkscreen extent -2.3,-1.5 1.4,1.5, body extent -1.4,-1.45 1.4,1.45, height 1.45
TSSOP8 [mm]
  rect 1.1x0.45 smd mask+0.064: 1(-2.95,0.975) 2(-2.95,0.325) 3(-2.95,-0.325) 4(-2.95,-0.975) 5(2.95,-0.975) 6(2.95,-0.325) 7(2.95,0.325) 8(2.95,0.975)
  silkscreen extent -4.1,-1.5 3.25,1.5, body extent -3.23,-1.5 3.23,1.5, height 1.2
TSSOP24 [mm]
  rect 1.7x0.35 smd paste-0.025 mask+0.076: 1(-2.85,3.545) 2(-2.85,2.895) 3(-2.85,2.245) 4(-2.85,1.595) 5(-2.85,0.945) 6(-2.85,0.295) 7(-2.85,-0.355) 8(-2.85,-1.005) 9(-2.85,-1.655) 10(-2.85,-2.305) 11(-2.85,-2.955) 12(-2.85,-3.605) 13(2.85,-3.605) 14(2.85,-2.955) 15(2.85,-2.305) 16(2.85,-1.655) 17(2.85,-1.005) 18(2.85,-0.355) 19(2.85,0.295) 20(2.85,0.945) 21(2.85,1.595) 22(2.85,2.245) 23(2.85,2.895) 24(2.85,3.545)
  silkscreen extent -4.5,-3.95 1.78,4, body extent -3.27,-3.95 3.27,3.95, height 1.2
TXC_TD [mm]
  rect 1.1x1 smd mask+0.051: 1(-0.95,-0.75) 2(0.95,-0.75) 3(0.95,0.75) 4(-0.95,0.75)
  silkscreen extent -1.34,-1.86 1.34,1, body extent -1.25,-1 1.25,1, height 0.75
UFQFN-8 [mm]
  rect 0.4x0.25 smd mask+0.05: 1(-0.605,0.5) 2(-0.605,0) 3(-0.605,-0.5) 5(0.605,-0.5) 6(0.605,0) 7(0.605,0.5)
  rect 0.25x0.4 smd mask+0.05: 4(0,-0.675) 8(0,0.675)
  silkscreen extent -1.27,-0.8 0.8,0.8, body extent -0.8,-0.8 0.8,0.8, height 0.55
UQFN-6L [mm]
  rect 0.6x0.25 smd paste-0.3 mask+0.051: 1(-0.65,0.5) 2(-0.65,0) 3(-0.65,-0.5) 4(0.65,-0.5) 5(0.65,0) 6(0.65,0.5)
  silkscreen extent -1.45,-0.85 0.75,0.85, body extent -0.75,-0.85 0.75,0.85, height 0.5
VFDFPN-3X3-8L [mm]
  rect 0.55x0.35 smd mask+0.064: 1(-1.4,0.975) 2(-1.4,0.325) 3(-1.4,-0.325) 4(-1.4,-0.975) 5(1.4,-0.975) 6(1.4,-0.325) 7(1.4,0.325) 8(1.4,0.975)
  rect 1.6x2 smd paste-0.2 mask+0.064: 9(0,0)
  silkscreen extent -2.2,-1.5 1.5,1.5, body extent -1.5,-1.5 1.5,1.5, height 1
WDFN-10L [mm]
  rect 0.65x0.3 smd mask+0.05: 1(-1.35,1) 2(-1.35,0.5) 3(-1.35,0) 4(-1.35,-0.5) 5(-1.35,-1) 6(1.35,-1) 7(1.35,-0.5) 8(1.35,0) 9(1.35,0.5) 10(1.35,1)
  rect 1.5x2.3 smd paste-0.15 mask+0.05: 11(0,0)
  silkscreen extent -2.2,-1.5 1.5,1.5, body extent -1.5,-1.5 1.5,1.5, height 0.8
YC124 [mm]
  rect 0.5x0.3 smd mask+0.051: 1(-0.45,0.75) 2(-0.45,0.25) 3(-0.45,-0.25) 4(-0.45,-0.75) 5(0.45,-0.75) 6(0.45,-0.25) 7(0.45,0.25) 8(0.45,0.75)
  body extent -0.5,-1 0.5,1, height 0.45